# Altium PCB 32直立车-PCB.PcbDoc (part 1 of 2)
Units mm, origin at the board's own origin, x right, y up, seen from the top; angles counter-clockwise.
Board outline 90.55 x 46 mm, 2 copper layers (Top Layer, Bottom Layer); 120 components, 108 nets, 431 pads, 289 vias.
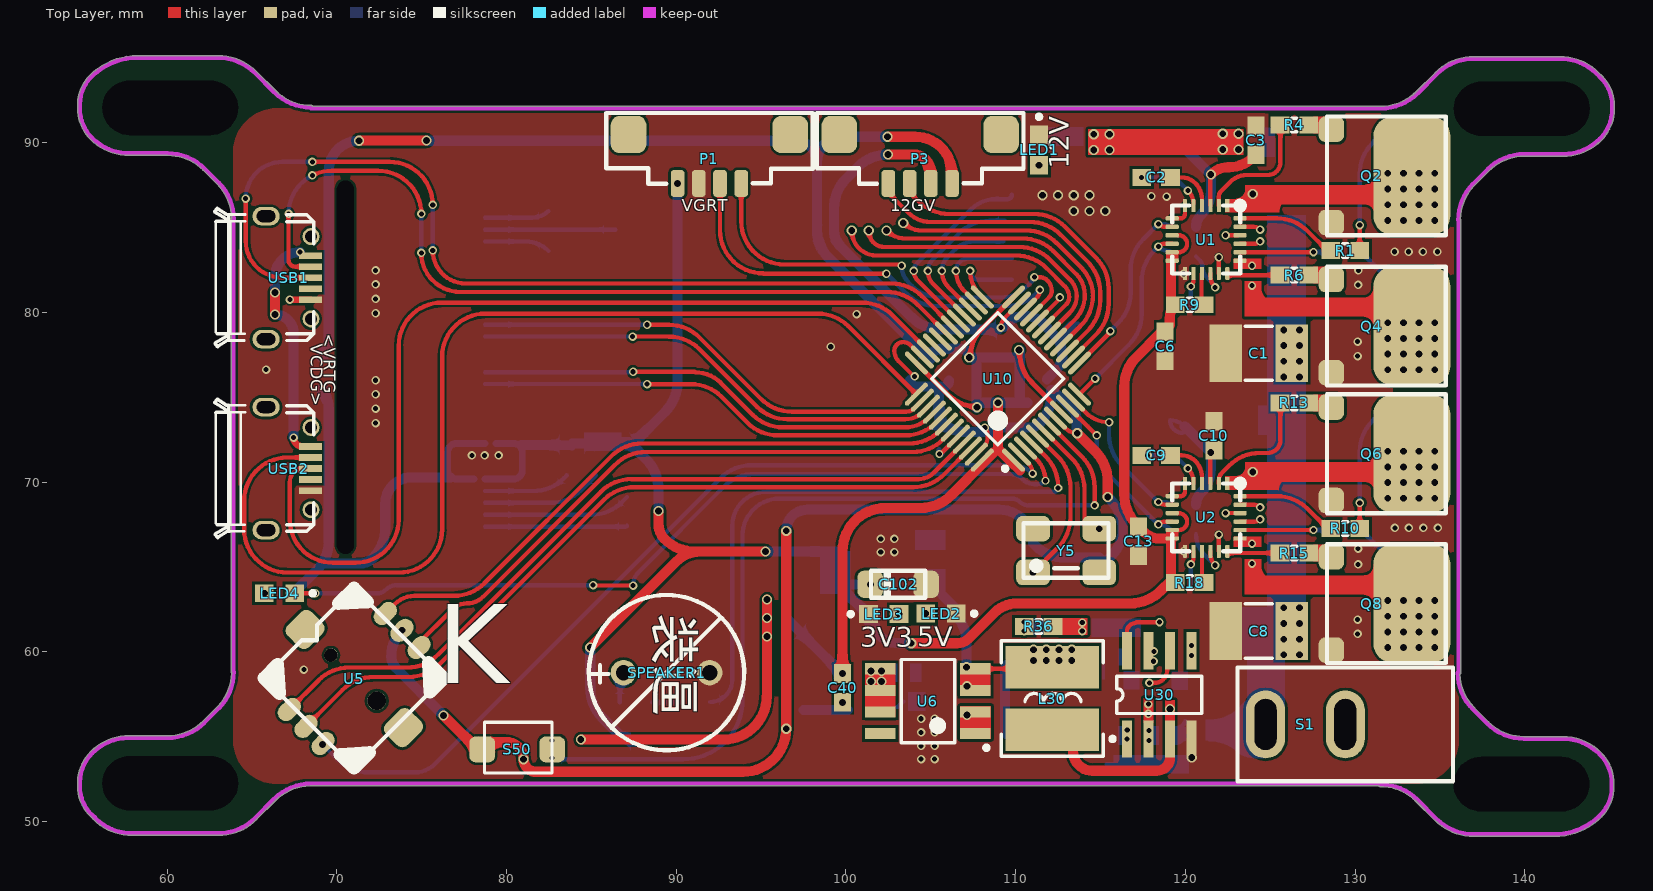
[diagram p0: Top Layer view]
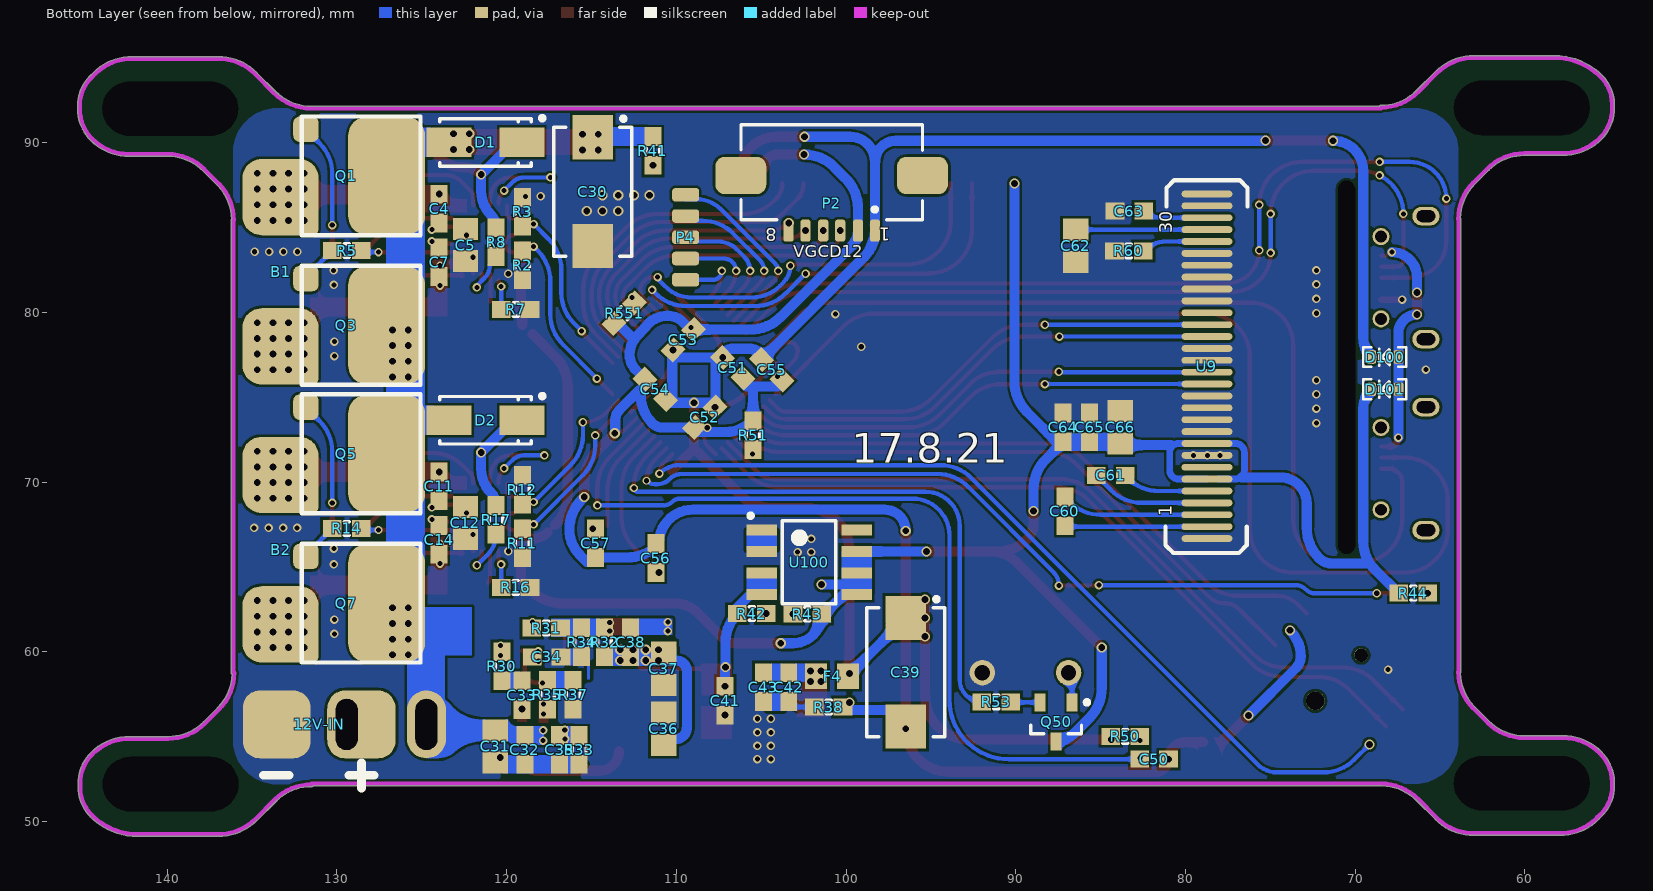
[diagram p1: Bottom Layer view, seen from below]

## Layer stack, top to bottom
Top Solder: solder mask 0.0102, Solder Resist, Dk 3.5
Top Layer: signal copper 0.0356
Dielectric 1: dielectric 0.32, FR-4, Dk 4.8
Bottom Layer: signal copper 0.0356
Bottom Solder: solder mask 0.0102, Solder Resist, Dk 3.5

## Board outline
54.723,52.055 cw(c54.85,52.055) 54.729,52.094 cw(c57.332,52.272) 55.487,54.117 cw(c57.745,51.859) 57.745,55.052 60.03,55.052 ccw(c60.03,57.991) 62.108,55.913 62.937,56.742 ccw(c63.027,56.652) 62.936,56.742 62.937,56.742 ccw(c60.859,58.82) 63.797,58.744 cw(c63.899,58.82) 63.772,58.82 63.772,85.48 cw(c63.899,85.48) 63.797,85.556 ccw(c60.859,85.48) 62.937,87.558 62.108,88.387 ccw(c62.198,88.477) 62.108,88.386 62.108,88.387 ccw(c60.03,86.309) 60.03,89.248 57.745,89.248 cw(c57.745,92.441) 55.487,90.183 cw(c57.332,92.028) 54.723,92.028 cw(c54.85,92.028) 54.729,92.068 cw(c57.155,92.245) 55.435,93.965 cw(c58.241,91.159) 58.241,95.127 63.005,95.127 cw(c63.005,91.934) 65.263,94.192 cw(c65.173,94.102) 65.264,94.192 65.263,94.192 66.399,93.056 ccw(c66.309,92.966) 66.399,93.057 66.399,93.056 ccw(c68.477,95.134) 68.477,92.195 cw(c68.477,92.068) 68.578,92.145 131.523,92.145 ccw(c131.523,95.084) 133.601,93.006 134.737,94.142 cw(c136.995,91.884) 136.995,95.077 142.08,95.077 cw(c142.08,91.884) 144.338,94.142 144.565,93.915 ccw(c144.475,93.825) 144.565,93.915 cw(c142.845,92.195) 145.277,92.195 145.277,91.978 cw(c142.668,91.978) 144.513,90.133 cw(c142.255,92.391) 142.255,89.198 139.97,89.198 ccw(c139.97,86.259) 137.892,88.337 137.063,87.508 ccw(c136.973,87.598) 137.064,87.508 137.063,87.508 ccw(c139.141,85.43) 136.203,85.503 cw(c136.099,85.43) 136.226,85.43 136.226,58.77 cw(c136.099,58.77) 136.179,58.671 ccw(c139.116,58.77) 137.038,56.692 cw(c136.948,56.602) 137.039,56.692 137.038,56.692 137.867,55.863 ccw(c137.777,55.773) 137.867,55.864 137.867,55.863 ccw(c139.945,57.941) 139.945,55.002 142.23,55.002 cw(c142.23,51.809) 144.488,54.067 cw(c142.643,52.222) 145.252,52.222 cw(c145.125,52.222) 145.246,52.182 cw(c142.82,52.005) 145.252,52.005 cw(c142.82,52.005) 144.54,50.285 cw(c144.45,50.375) 144.532,50.277 cw(c144.434,50.359) 144.524,50.269 cw(c141.757,53.036) 141.757,49.123 136.97,49.123 cw(c136.97,52.316) 134.712,50.058 cw(c134.802,50.148) 134.711,50.058 134.712,50.058 133.576,51.194 ccw(c133.666,51.284) 133.576,51.193 133.576,51.194 ccw(c131.498,49.116) 131.498,52.055 cw(c131.498,52.182) 131.409,52.091 68.477,52.091 cw(c68.477,52.218) 68.42,52.104 ccw(c68.477,49.166) 66.399,51.244 65.263,50.108 ccw(c65.173,50.198) 65.264,50.108 65.263,50.108 cw(c63.005,52.366) 63.005,49.173 57.92,49.173 cw(c57.92,52.366) 55.662,50.108 cw(c55.752,50.198) 55.631,50.159 cw(c57.155,52.055)

## Design rules (kind name [scope] priority, off if disabled: settings)
Clearance [All] p1: gap=0.152
HoleSize [All] p1: absolutevalues=TRUE maxlimit=99 minlimit=0.025 maxpercent=80.000 minpercent=20.000
HoleToHoleClearance [All] p1: gap=0.152 allowstackedmicrovias=TRUE
MinimumSolderMaskSliver [All] p1: minsoldermaskwidth=0
PolygonConnect [All] p1: connectstyle=Direct reliefconductorwidth=0.254 reliefentries=4 polygonreliefangle="90 Angle" airgapwidth=0.254
RoutingVias [All] p1: holewidth=0.3 width=0.5 viastyle="Through Hole" minholewidth=0.3 minwidth=0.3 maxholewidth=3 maxwidth=3
SilkToSilkClearance [All] p1: silktosilkclearance=0
SilkToSolderMaskClearance [All] p1: minsilkscreentomaskgap=0 clearancetoexposedcopper=TRUE
SolderMaskExpansion [All] p1: expansion=0.102
Width [All] p1: maxlimit=0.6 minlimit=0.127 preferedwidth=0.254
25 further rules are at their usual default settings.

## Components (designator, comment, footprint, x,y, rotation, side; value= is the part's Value field where it differs from the comment)
12V-IN "Power12" VBAT-2 128.549,55.718 r0 bottom
B1 "Motor Servo" "电机接口 - duplicate" 133.324,86.793 r270 top
B2 "Motor Servo" "电机接口 - duplicate" 133.324,70.418 r270 top
C1 "107/12V" CAPC4532[1812] 124.324,77.593 r0 top
C2 "470nF" CAPC1608[0603] 118.275,87.95 r180 top
C3 "104" CAPC1608[0603] 124.149,90.143 r270 top
C4 "105/12V" CAPC1608[0603] 123.974,86.118 r90 bottom
C5 "106/12V" CAPC2012[0805] 122.424,83.968 r90 bottom
C6 "104" CAPC1608[0603] 118.8,78 r270 top
C7 "105/12V" CAPC1608[0603] 123.974,82.968 r270 bottom
C8 "107/12V" CAPC4532[1812] 124.324,61.218 r0 top
C9 "470nF" CAPC1608[0603] 118.275,71.575 r180 top
C10 "104" CAPC1608[0603] 121.675,72.725 r270 top
C11 "105/12V" CAPC1608[0603] 123.974,69.743 r90 bottom
C12 "106/12V" CAPC2012[0805] 122.424,67.593 r90 bottom
C13 "104" CAPC1608[0603] 117.25,66.525 r270 top
C14 "105/12V" CAPC1608[0603] 123.974,66.593 r270 bottom
C30 "220uF/12V" CAPT7343 114.924,87.116 r270 bottom
C31 "22uF/12V" CAPC2012[0805] 120.674,54.418 r270 bottom
C32 "104" CAPC1608[0603] 118.924,54.218 r270 bottom
C33 "104" CAPC1608[0603] 119.099,57.443 r90 bottom
C34 "104" CAPC1608[0603] 117.649,59.693 r180 bottom
C35 "102" CAPC1608[0603] 116.874,54.218 r270 bottom
C36 "22uF" CAPC2012[0805] 110.749,55.468 r270 bottom
C37 "22uF" CAPC2012[0805] 110.749,58.993 r90 bottom
C38 "330nf" CAPC1608[0603] 112.699,60.568 r90 bottom
C39 "Cap Pol2" CAPT7343 96.474,58.793 r270 bottom
C40 "104" CAPC1608[0603] 99.799,57.868 r90 top
C41 "104" CAPC1608[0603] 107.124,57.118 r270 bottom
C42 "104" CAPC1608[0603] 103.374,57.918 r90 bottom
C43 "106/3V3" CAPC1608[0603] 104.874,57.918 r90 bottom
C50 "104" CAPC1608[0603] 81.849,53.668 r0 bottom
C51 "104" CAPC1608[0603] 106.665,76.732 r45 bottom
C52 "104" CAPC1608[0603] 108.316,73.811 r135 bottom
C53 "104" CAPC1608[0603] 109.586,78.383 r315 bottom
C54 "104" CAPC1608[0603] 111.237,75.462 r225 bottom
C55 "104" CAPC1608[0603] 104.372,76.616 r45 bottom
C56 "22pF" CAPC1608[0603] 111.2,65.525 r270 bottom
C57 "22pF" CAPC1608[0603] 114.75,66.4 r90 bottom
C60 "105" CAPC1608[0603] 87.099,68.268 r90 bottom
C61 "105" CAPC1608[0603] 84.399,70.393 r180 bottom
C62 "4.7uf" CAPC2012[0805] 86.474,83.918 r270 bottom
C63 "2.2uf" CAPC1608[0603] 83.299,85.968 r0 bottom
C64 "104" CAPC1608[0603] 87.199,73.218 r90 bottom
C65 "105" CAPC1608[0603] 85.649,73.218 r90 bottom
C66 "106/3V3" CAPC2012[0805] 83.851,73.226 r90 bottom
C102 "Cap Pol2" 钽电容3216 103.075,63.975 r0 top
D1 "1N5819" SMA[DO-214AC] 121.249,90.018 r180 bottom
D2 "1N5819" SMA[DO-214AC] 121.249,73.643 r180 bottom
D100 "Red" LED-0603 67.449,77.368 r0 bottom
D101 "Red" LED-0603 67.449,75.468 r0 bottom
F4 "500mA" CAPC2012[0805] 100.824,58.568 r0 bottom
L30 "4.7uH" CD52 112.149,57.243 r90 top
LED1 "Red" LEDC1608(0603) 111.375,89.575 r270 top
LED2 "Red" LEDC1608(0603) 105.6,62.25 r180 top
LED3 "Red" LEDC1608(0603) 102.224,62.218 r0 top
LED4 "Red" LEDC1608(0603) 66.624,63.443 r180 top
P1 "" MK1.25_4P立 91.95,88.575 r180 top
P2 "陀螺仪、编码器" 6P-卧头 100.849,86.443 r0 bottom
P3 "" MK1.25_4P立 104.375,88.575 r180 top
P4 "Header 5" 扩展口-5P 109.45,84.425 r270 bottom
Q1 "NMOS-2" IR7843-mg 132.074,91.543 r270 bottom
Q2 "NMOS-2" IR7843-mg 128.349,91.543 r270 top
Q3 "NMOS-2" IR7843-mg 132.074,82.743 r270 bottom
Q4 "NMOS-2" IR7843-mg 128.349,82.693 r270 top
Q5 "NMOS-2" IR7843-mg 132.074,75.168 r270 bottom
Q6 "NMOS-2" IR7843-mg 128.349,75.168 r270 top
Q7 "NMOS-2" IR7843-mg 132.074,66.368 r270 bottom
Q8 "NMOS-2" IR7843-mg 128.349,66.343 r270 top
Q50 "NPN" SOT23 87.624,55.868 r270 bottom
R1 "4R7" RESC1608[0603] 129.424,83.643 r180 top
R2 "10K" RESC1608[0603] 119.074,82.768 r270 bottom
R3 "10K" RESC1608[0603] 119.074,85.918 r90 bottom
R4 "4R7" RESC1608[0603] 126.424,91.043 r0 top
R5 "4R7" RESC1608[0603] 129.424,83.643 r180 bottom
R6 "4R7" RESC1608[0603] 126.424,82.193 r0 top
R7 "20K" RESC1608[0603] 119.475,80.175 r180 bottom
R8 "22K" RESC1608[0603] 120.624,84.143 r90 bottom
R9 "10K" RESC1608[0603] 120.25,80.45 r0 top
R10 "4R7" RESC1608[0603] 129.424,67.268 r180 top
R11 "10K" RESC1608[0603] 119.074,66.393 r270 bottom
R12 "10K" RESC1608[0603] 119.074,69.543 r90 bottom
R13 "4R7" RESC1608[0603] 126.424,74.668 r0 top
R14 "4R7" RESC1608[0603] 129.424,67.268 r180 bottom
R15 "4R7" RESC1608[0603] 126.424,65.818 r0 top
R16 "20K" RESC1608[0603] 119.475,63.8 r180 bottom
R17 "22K" RESC1608[0603] 120.624,67.768 r90 bottom
R18 "10K" RESC1608[0603] 120.25,64.075 r0 top
R30 "20" RESC1608[0603] 120.274,59.143 r90 bottom
R31 "20K" RESC1608[0603] 117.674,61.393 r0 bottom
R32 "40.2K" RESC1608[0603] 114.224,60.568 r270 bottom
R33 "75K" RESC1608[0603] 115.724,54.218 r90 bottom
R34 "7.5K" RESC1608[0603] 115.574,60.568 r270 bottom
R35 "100K" RESC1608[0603] 117.599,57.468 r270 bottom
R36 "0" RESC1608[0603] 111.349,61.493 r180 top
R37 "10k" RESC1608[0603] 116.074,57.468 r90 bottom
R38 "0" RESC1608[0603] 101.024,56.743 r0 bottom
R41 "10K" RESC1608[0603] 111.374,89.518 r90 bottom
R42 "4.7K" RESC1608[0603] 105.55,62.25 r0 bottom
R43 "4.7K" RESC1608[0603] 102.274,62.218 r180 bottom
R44 "4.7K" RESC1608[0603] 66.575,63.45 r0 bottom
R50 "10K" RESC1608[0603] 83.549,55.018 r0 bottom
R51 "10K" RESC1608[0603] 105.474,72.768 r270 bottom
R53 "1K" RESC1608[0603] 91.149,57.043 r180 bottom
R60 "910k" RESC1608[0603] 83.324,83.618 r180 bottom
R551 "10K" RESC1608[0603] 113.075,79.95 r135 bottom
S1 "switch" 2(-1)脚3A开关-立 124.724,55.718 r0 top
S50 "SW-PB" key3*4*2 80.624,54.243 r0 top
SPEAKER1 "有源蜂鸣器" СBeep 89.424,58.768 r180 top
U1 "A4957" QFN-24 121.224,84.293 r270 top
U2 "A4957" QFN-24 121.224,67.918 r270 top
U5 "五向按键" 5向key-小 71.024,58.418 r45 top
U6 "TPS7333" SOIC8 104.824,57.093 r180 top
U9 "oled" oled 78.728,76.825 r90 bottom
U10 "STM32F101CBT6" LQFP48_N 108.951,76.097 r135 top
U30 "MP2315" MP2315用SOP8 116.555,54.862 r90 top
U100 "TPS7333" SOIC8 102.174,65.268 r180 bottom
USB1 "USB-5P" "Micro USB 牛角" 67.149,82.043 r90 top
USB2 "USB-5P" "Micro USB 牛角" 67.149,70.793 r90 top
Y5 "Frequency" 4脚晶振-5032 115.464,67.564 r180 top

## Footprints (in the part's own frame and the unit in brackets; to place one, negate y for a bottom-side part, rotate by r counter-clockwise, add the part's x,y. Pads: shape width x height; smd on the part's side, far side on the other; paste and mask are expansions set on the pad)
2(-1)脚3A开关-立 [mm]
  oval 2.3x4 hole 1.3 slot 3 at 90 deg: 1(0,0) 2(4.7,0)
  silkscreen extent -1.65,-3.35 11.05,3.35
4脚晶振-5032 [mm]
  rrect50% 2x1.5 smd: 1(4.439,2.889) 2(0.54,2.889) 3(0.54,0.311) 4(4.439,0.311)
  silkscreen extent 0,0 5,3.2
5向key-小 [mm]
  rrect50% 2x1.8 smd: 0(0,4.096) 0(0.004,-4.096)
  oval 1.524x1 smd: 1(-4,1.419) 2(-4.001,0.022) 3(-4.001,-1.403) 4(4,1.419) 5(4.001,0.022) 6(4.001,-1.403)
  round 0.8 hole 0.8: 1(0.004,1.949)
  round 1.1 hole 1.1: 2(0.004,-1.861)
  silkscreen extent -3.75,-3.71 3.75,3.79
6P-卧头 [mm]
  rrect50% 0.6x1.3 smd: 1(-2.556,1.625) 2(-1.556,1.625) 3(-0.509,1.625) 4(0.491,1.625) 5(1.539,1.625) 6(2.539,1.625)
  rrect50% 3x2.2 smd: 9(5.347,-1.626) 10(-5.356,-1.626)
  silkscreen extent -5.36,-4.62 5.34,0.98
CAPC1608[0603] [mm] "Chip Capacitor, 2-Leads, Body 1.60x0.80mm, IPC Medium Density"
  rect 1.1x1 smd: 1(-0.85,0) 2(0.85,0)
  body extent -0.88,-0.48 0.87,0.47, height 0.85
CAPC2012[0805] [mm] "Chip Capacitor, 2-Leads, Body 2.00x1.25mm, IPC Medium Density"
  rect 1.3x1.5 smd: 1(-0.95,0) 2(0.95,0)
  body extent -1.1,-0.72 1.1,0.72, height 1.1
CAPC4532[1812] [mm] "Chip Capacitor, 2-Leads, Body 4.50x3.20mm, IPC Medium Density"
  rect 1.9x3.4 smd: 1(-1.95,0) 2(1.95,0)
  silkscreen extent -0.8,-1.6 0.8,1.6, body extent -2.4,-1.7 2.4,1.7, height 1.35
CAPT7343 [mm] "Molded Tantalum Capacitor, 2-Leads, Body 7.30x4.30mm, IPC Medium Density"
  rect 2.6x2.4 smd: 1(-3.2,0) 2(3.2,0)
  silkscreen extent -4.42,-2.3 3.8,2.3, body extent -3.65,-2.15 3.65,2.15, height 2.9
CD52 [mm]
  rect 2.5x5.5 smd: 1(-1.85,0) 2(1.85,0)
  silkscreen extent -3.4,-3 3.4,3, body extent -2.6,-2.86 2.6,2.86, height 3.4
IR7843-mg [mm]
  rrect50% 1.5x1.5 smd: 1(0.75,0.25) 3(6.25,0.25)
  rrect50% 7x4.53 smd: 2(3.5,5)
  silkscreen extent 0,0 7,7
key3*4*2 [mil]
  rrect50% 60x60 smd: 1(-81.24,0) 2(81.24,0)
  silkscreen extent -76,-55 81,63
LED-0603 [mm]
  rrect50% 0.6x0.8 smd: 1(0,0) 2(1.6,0)
  silkscreen extent -0.47,-0.58 2.07,0.58
LEDC1608(0603) [mm] "LED,Chip;1.60mm L X 0.80mm W X 0.80mm H"
  rect 1.1x1.05 smd: A(0.9,0) C(-0.9,0)
  silkscreen extent -2.07,-0.12 -1.83,0.13, body extent -0.9,-0.45 0.9,0.45, height 0.8
LQFP48_N [mm] "Thin QFP, 48-Leads, Body 7x7mm, Pitch 0.5mm, IPC Medium Density"
  oval 1.8x0.3 smd: 1(-4.05,2.75) 2(-4.05,2.25) 3(-4.05,1.75) 4(-4.05,1.25) 5(-4.05,0.75) 6(-4.05,0.25) 7(-4.05,-0.25) 8(-4.05,-0.75) 9(-4.05,-1.25) 10(-4.05,-1.75) 11(-4.05,-2.25) 12(-4.05,-2.75) 25(4.05,-2.75) 26(4.05,-2.25) 27(4.05,-1.75) 28(4.05,-1.25) 29(4.05,-0.75) 30(4.05,-0.25) 31(4.05,0.25) 32(4.05,0.75) 33(4.05,1.25) 34(4.05,1.75) 35(4.05,2.25) 36(4.05,2.75)
  oval 0.3x1.8 smd: 13(-2.75,-4.05) 14(-2.25,-4.05) 15(-1.75,-4.05) 16(-1.25,-4.05) 17(-0.75,-4.05) 18(-0.25,-4.05) 19(0.25,-4.05) 20(0.75,-4.05) 21(1.25,-4.05) 22(1.75,-4.05) 23(2.25,-4.05) 24(2.75,-4.05) 37(2.75,4.05) 38(2.25,4.05) 39(1.75,4.05) 40(1.25,4.05) 41(0.75,4.05) 42(0.25,4.05) 43(-0.25,4.05) 44(-0.75,4.05) 45(-1.25,4.05) 46(-1.75,4.05) 47(-2.25,4.05) 48(-2.75,4.05)
  silkscreen extent -4.17,-2.75 2.75,3.57, body extent -3.5,-3.5 3.5,3.5, height 1.6
"Micro USB 牛角" [mm]
  oval 1.1x1.6 hole 0.7 slot 1.1 at 90 deg: 0(-3.625,1.325) 0(3.625,1.325)
  round 1 hole 0.7: 0(-2.425,-1.325) 0(2.425,-1.325)
  rect 0.4x1.35 smd: 1(1.3,-1.3) 2(0.65,-1.3) 3(0,-1.3) 4(-0.65,-1.3) 5(-1.3,-1.3)
  silkscreen extent -4.06,-1.48 4.09,4.36
MK1.25_4P立 [mm]
  rrect50% 2.1x2.2 smd: 0(-4.764,-1.905) 0(4.764,-1.905)
  rrect50% 0.8x1.6 smd: 1(-1.875,0.974) 2(-0.625,0.974) 3(0.625,0.974) 4(1.875,0.974)
  silkscreen extent -6.08,-3.17 6.08,0.99
MP2315用SOP8 [mm]
  rect 2.2x0.6 smd: 1(0,0) 2(0,-1.27) 3(0,-2.54) 4(0,-3.81) 5(5.2,-3.81) 6(5.2,-2.54) 7(5.2,-1.27) 8(5.2,0)
  silkscreen extent -0.12,-4.4 3.7,0.97
oled [mm]
  oval 0.4x3 smd: 1(-10.153,0) 2(-9.453,0) 3(-8.752,0) 4(-8.052,0) 5(-7.352,0) 6(-6.652,0) 7(-5.952,0) 8(-5.251,0) 9(-4.551,0) 10(-3.851,0) 11(-3.151,0) 12(-2.451,0) 13(-1.75,0) 14(-1.05,0) 15(-0.35,0) 16(0.35,0) 17(1.05,0) 18(1.75,0) 19(2.451,0) 20(3.151,0) 21(3.851,0) 22(4.551,0) 23(5.251,0) 24(5.952,0) 25(6.652,0) 26(7.352,0) 27(8.052,0) 28(8.752,0) 29(9.453,0) 30(10.153,0)
  silkscreen extent -11,-2.39 10.97,2.44
QFN-24 [mm]
  rect 0.775x0.25 smd: 1(-2,1.25)
  rrect50% 0.775x0.25 smd: 2(-2,0.75) 3(-2,0.25) 4(-2,-0.25) 5(-2,-0.75) 6(-2,-1.25) 13(2,-1.25) 14(2,-0.75) 15(2,-0.25) 16(2,0.25) 17(2,0.75) 18(2,1.25)
  rrect50% 0.25x0.775 smd: 7(-1.25,-2) 8(-0.75,-2) 9(-0.25,-2) 10(0.25,-2) 11(0.75,-2) 12(1.25,-2) 19(1.25,2) 20(0.75,2) 21(0.25,2) 22(-0.25,2) 23(-0.75,2) 24(-1.25,2)
  silkscreen extent -2.28,-2 2,2.28
RESC1608[0603] [mm] "Chip Resistor, 2-Leads, Body 1.60x0.82mm, IPC Medium Density"
  rect 1.1x1 smd: 1(-0.85,0) 2(0.85,0)
  silkscreen extent -0.15,-0.4 0.15,0.4, body extent -0.8,-0.4 0.8,0.4, height 0.45
SMA[DO-214AC] [mm] "Molded Diode, 2-Leads, Body 5.00x2.49mm, IPC Medium Density"
  rect 2.65x1.75 smd: A(-2.15,0) K(2.15,0)
  silkscreen extent -2.7,-1.4 3.47,1.55, body extent -2.9,-1.46 2.91,1.46, height 2.3
SOIC8 [mm] "SOIC,1.27mm pitch;8 pin,3.90mm W X 4.88mm L X 1.73mm H body"
  rect 1.8x0.65 smd: 1(-2.8,1.905) 2(-2.8,0.635) 3(-2.8,-0.635) 4(-2.8,-1.905) 5(2.8,-1.905) 6(2.8,-0.635) 7(2.8,0.635) 8(2.8,1.905)
  silkscreen extent -3.58,-2.45 1.58,2.87, body extent -3.11,-2.45 3.11,2.45, height 1.75
SOT23 [mm] "SOT23, 3-Leads, Body 2.90x2.40mm, Pitch 0.95mm, IPC Medium Density"
  rect 1.05x0.65 smd: 1(-1.15,0.95) 2(-1.15,-0.95) 3(1.15,0)
  silkscreen extent -1.27,-1.5 0.7,1.95, body extent -1.4,-1.45 1.4,1.45, height 1.2
VBAT-2 [mm]
  rrect50% 4x4 smd: 1(0,0) 2(5,0)
  silkscreen extent -0.75,2.25 5.77,3.75
СBeep [mm]
  round 1.5 hole 0.9: 1(2.54,0) 2(-2.54,0)
  silkscreen extent -4.57,-4.58 4.58,4.57
扩展口-5P [mm]
  rrect50% 0.8x1.6 smd: 1(-2.5,0) 2(-1.25,0) 3(0,0) 4(1.25,0) 5(2.5,0)
"电机接口 - duplicate" [mm]
  rrect50% 4.5x4.5 smd far side: 1(0,0) 2(8.8,0)
钽电容3216 [mm]
  rrect50% 1.5x1.6 smd: 1(-1.65,0) 2(1.65,0)
  silkscreen extent -1.6,-0.8 1.6,0.8

## Part data
B1 B2: "Servo Motor"
C1 C2 C3 C4 C5 C6 C7 C8 C9 C10 C11 C12 C13 C14 C41 C42 C43 C50 C51 C52 C53 C54 C55 C56 C57: library part "Cap Chip 2", "Chip Capacitor, Silkscreen Border"
C30 C31 C32 C33 C34 C35 C36 C37 C38 C40: library part "Cap Chip 1", "Chip Capacitor, PSpice Model"
C39 C102: "Polarized Capacitor (Axial)"
C60 C61 C62 C63 C64 C65 C66: library part ECAP
D1 D2: library part Diode, "Default Diode"
D100 D101 LED1 LED2 LED3 LED4: library part "LED Chip", "Typical Chip LED"
F4: library part "Fuse chip", "Fuse"
L30: library part "Ind Power", "Power Inductor, Ferrite-Core"
P1 P3: library part "Header 4", "Header, 4-Pin"
P2: library part "Header 6", "Header, 6-Pin"
P4: "Header, 5-Pin"
Q1 Q2 Q3 Q4 Q5 Q6 Q7 Q8: "N-Channel Power MOSFET"
Q50: "NPN Transistor"
R1 R4 R5 R6 R7 R8 R9 R10 R13 R14 R15 R16 R17 R18: library part "Res Chip 2p 2", "Chip Resistor, Border Silkscreen On PCB Library"
R2 R3 R11 R12: library part R-10K, "resistor"
R30 R31 R32 R33 R34 R35 R36 R37 R38 R41 R42 R43 R44 R50 R51 R551: library part "Res Chip 2p 1", "Chip Resistor, PSpice Model, IPC PCB Library Drawing"
R53: library part RES
R60: library part 1K, "CR85-102J"
S50: "Switch"
U1 U2: "A4957SESTR-T"
U6 U100: library part TPS73xx
U9: library part OLED_1306
U10: "STM32 ARM-based 32-bit MCU with 128 Kbytes Flash, 48-pin LQFP, Industrial Temperature"
USB1 USB2: "USB CONNECTOR"
Y5: library part XTAL, "Crystal Oscillator"

## Free pads (board coordinates)
  round 0 hole 3.2 slot 8 at 0 deg: 0(60.175,52.25) 0(60.175,92.05) 0(139.8,52.2) 0(139.825,92)
  round 0 hole 1 slot 22 at 90 deg: 0(70.499,76.768)

## Via types
v1: diameter 0.6, hole 0.4, Top Layer to Bottom Layer, tented both sides, 156 vias
v2: diameter 0.5, hole 0.3, Top Layer to Bottom Layer, tented both sides, 131 vias
v3: diameter 0.46, hole 0.3, Top Layer to Bottom Layer, tented both sides, 2 vias

## Nets (pads, with @x,y where several pads share a name; then routed paths per layer and width w, separated by ;. In a path a pad name is that pad's centre, name@x,y a point inside that pad or via, vN(x,y) a via of type N, cw(c..) or ccw(c..) an arc to the next point about the centre after c; other vN are vias at no path point)
12V: C1.2 C8.2 C30.1 C31.1 C32.1 D1.A D2.A Q1.2 Q3.2 Q5.2 Q7.2 R35.2 R41.2 S1.1 U30.2 | length 8.8
  Bottom Layer w0.254: C32.1@119.407,54.639 ccw(c119.407,55.239) C31.1@119.974,55.043 ; 119.424,55.493 ccw(c119.424,56.093) C31.1@119.991,55.897 ; 121.424,54.843 cw(c121.424,52.303) 123.062,54.244 ccw(c124.031,55.213) 124.031,53.843 S1.1@124.599,53.843 ; 121.449,55.893 ccw(c121.449,58.433) 123.437,56.852 123.714,57.129 cw(c124.774,56.069) S1.1@124.774,57.568
  other v1: 125.799,59.818 126.724,59.818 125.799,60.743 126.724,60.743 125.799,61.668 126.724,61.668 125.799,62.593 126.724,62.593 125.799,76.193 126.724,76.193 125.799,77.118 126.724,77.118 125.799,78.043 126.724,78.043 125.799,78.968 126.724,78.968 114.6,89.575 115.525,89.575 122.2,89.6 123.125,89.6 114.6,90.5 115.525,90.5 122.2,90.525 123.125,90.525
  other v2: 117.849,54.768 117.849,55.368 117.824,56.343 117.824,56.918
A-3V3: C6.1 C13.1 C64.1 C65.1 C66.1 C102.1 D101.2 P1.4 Q50.3 R9.1 R18.1 R43.2 R44.2 U1.9 U1.11 U1.12 U2.9 U2.11 U2.12 U9.6 U9.9 U100.5 U100.6 U100.7 | length 136.7
  Top Layer w0.254: 116.4,69.277 116.4,69.45 ; C13.1@117.144,67.481 C13.1@117.25,67.375 C13.1@117.591,67.034 ; U2.11@119.599,67.168 ccw(c119.599,67.668) 120.099,67.668 ccw(c119.599,67.668) U2.9@119.599,68.168 ; U1.11@119.599,83.543 ccw(c119.599,84.043) 120.099,84.043 ccw(c119.599,84.043) U1.9@119.599,84.543
  Top Layer w0.6: v1(84.925,60.25) 89.979,65.304 cw(c91.425,63.858) 91.425,65.903 ; v1(88.95,68.3) 88.95,67.53 ccw(c90.23,67.53) 89.325,66.625 ccw(c91.068,68.368) 91.068,65.903 91.425,65.903 ; v1(95.25,65.903) 91.425,65.903 ; v1(103.85,60.5) 106.548,60.5 ccw(c106.548,61.471) 107.234,60.784 108.752,62.302 cw(c110.075,60.979) 110.075,62.85 116.748,62.85 ccw(c116.748,65.39) 118.544,63.594 R18.1@119.15,64.2 ; 116.4,69.277 ccw(c118.94,69.277) C13.1@117.144,67.481 ; 116.4,69.45 116.4,75.625 cw(c118.875,75.625) 117.125,77.375 C6.1@118.462,78.712 ; C13.1@117.591,67.034 ccw(c118.475,67.919) 118.475,66.668 U2.12@119.15,66.668 ; C6.1@119.075,79.25 119.075,79.665 cw(c120.185,79.665) R9.1@119.4,80.45 ; R18.1@119.15,64.475 U2.12@119.15,66.668 ; R9.1@119.15,80.525 U1.12@119.15,83.043 ; U2.12@119.224,66.668 U2.12@119.15,66.668
  Bottom Layer w0.254: C66.1@83.849,72.274 C66.1@83.851,72.151
  Bottom Layer w0.4: 76.523,70.702 ccw(c77.05,70.702) 77.05,70.175 U9.6@78.075,70.175 ; 76.525,70.725 76.525,71.75 cw(c77.052,71.75) 77.052,72.277 U9.9@78.722,72.277 ; U9.6@78.728,70.173 80.398,70.173 ccw(c80.398,70.7) 80.925,70.7 80.925,71.725 ; U9.9@79.375,72.275 80.4,72.275 cw(c80.4,71.748) 80.927,71.748
  Bottom Layer w0.6: R44.2@67.424,63.443 68.852,64.871 ccw(c67.23,66.493) 69.129,65.206 ; D101.2@69.049,75.468 cw(c67.902,74.321) 69.524,74.321 69.524,66.493 cw(c67.23,66.493) 69.129,65.206 ; 76.675,70.274 74.399,70.274 ccw(c74.399,68.725) 72.85,68.725 72.85,67.302 cw(c70.31,67.302) 72.106,65.506 cw(c71.382,66.23) 71.382,65.206 69.129,65.206 ; 80.85,72.176 83.126,72.176 83.847,72.151 C66.1@83.851,72.151 ; C66.1@83.851,72.276 85.557,72.276 ccw(c85.557,72.368) C65.1@85.649,72.368 C64.1@87.199,72.368 88.206,71.361 cw(c86.41,69.565) 88.95,69.565 v1(88.95,68.3) ; v1(84.925,60.25) 84.925,57.877 ccw(c87.465,57.877) 85.669,56.081 86.613,55.137 ccw(c87.624,56.147) Q50.3@87.624,54.718 ; C64.1@87.6,72.4 89.331,74.131 ccw(c87.535,75.927) 90.075,75.927 v1(90.075,87.6) ; v1(95.25,65.903) U100.7@99.374,65.903 ; 99.85,63.925 cw(c99.893,63.925) 99.893,63.968 v1(101.449,63.968) ; U100.5@100.161,63.331 R43.2@101.274,62.218 ; R43.2@101.424,62.218 ccw(c103.142,62.218) 103.142,60.5 v1(103.85,60.5)
A-5V: C36.2 C37.2 C38.1 C41.1 L30.2 R32.2 R42.2 U6.3 U6.4 U100.3 U100.4 | length 15.5
  Top Layer w0.254: U6.4@107.624,58.998 112.054,58.998 L30.2@112.149,59.093
  Bottom Layer w0.254: 109.374,55.493 ccw(c109.399,55.493) 109.399,55.468
  Bottom Layer w0.6: U100.4@105.656,63.369 R42.2@106.475,62.55 ; R42.2@106.4,62.25 cw(c104.712,60.562) 107.099,60.562 v1(107.099,59.093) cw(c107.039,59.033) 107.124,59.033 v1(107.124,57.968) ; 109.374,55.493 109.374,58.868 cw(c109.974,58.868) 109.974,59.468 ; 109.399,55.468 ccw(c109.999,55.468) C36.2@109.999,54.868
  other v1: 111.049,59.493 111.799,59.493 112.549,59.493 113.299,59.493 111.049,60.118 111.799,60.118 112.549,60.118 113.299,60.118
A-GND: 12V-IN.2 C1.1 C3.1 C5.1 C6.2 C8.1 C10.1 C12.1 C13.2 C30.2 C31.2 C32.2 C34.2 C35.2 C36.1 C37.1 C41.2 C42.1 C43.1 C62.2 C63.2 C64.2 C65.2 C66.2 C102.2 LED1.C LED2.C LED3.C P1.3 Q2.3 Q4.3 Q6.3 Q8.3 R2.2 R3.2 R7.2 R11.2 R12.2 R16.2 R33.1 R34.2 R37.1 R38.2 R60.1 SPEAKER1.2 U1.6 U1.7 U1.13 U1.17 U2.6 U2.7 U2.13 U2.17 U6.1 U6.2 U9.1 U9.8 U9.10 U9.11 U9.12 U9.13 U9.16 U9.17 U9.21 U9.22 U9.23 U9.24 U9.25 U9.29 U9.30 U30.4 U100.1 U100.2 USB1.5 USB2.5 | length 8
  Top Layer w0.254: USB1.5@68.449,80.743 USB1.5@68.449,80.75 ; U2.7@119.224,69.168 119.724,69.168 ccw(c119.724,69.418) 119.974,69.418 U2.6@119.974,69.918 ; U1.7@119.224,85.543 119.724,85.543 ccw(c119.724,85.793) 119.974,85.793 U1.6@119.974,86.293 ; U2.17@121.974,65.918 121.974,66.899 v2(121.975,66.9) ; U1.17@121.974,82.293 121.974,83.249 v2(121.975,83.25)
  Top Layer w0.4: v2(67.225,80.75) USB1.5@68.449,80.75
  Bottom Layer w0.254: R38.2@101.874,56.743 103.049,56.743 C42.1@103.374,57.068 ; R33.1@115.357,53.368 R33.1@115.724,53.368
  other v1: 120.374,53.768 107.124,56.268 113.425,85.975 114.35,85.975 115.275,85.975 111.575,86.9 112.5,86.9 113.425,86.9 114.35,86.9
  other v2: 104.425,53.675 105.225,53.675 104.425,54.45 105.225,54.45 104.425,55.25 105.225,55.25 104.425,56.05 105.225,56.05 68.05,58.95 130.15,61.05 130.15,61.9 130.175,65.15 102.05,65.875 102.85,65.875 119.9,65.925 130.175,66.075 102.05,66.65 102.85,66.65 132.35,67.3 133.175,67.3 134.025,67.3 134.875,67.3 77.95,71.575 78.7,71.575 79.525,71.575 72.275,73.475 72.275,74.325 72.275,75.175 72.275,76 65.825,76.625 130.15,77.425 99.1,77.975 130.15,78.275 100.625,79.9 72.275,79.95 72.275,80.8 130.175,81.625 72.275,81.65 119.901,82.276 72.275,82.475 130.2,82.475 132.325,83.575 133.15,83.575 134,83.575 134.85,83.575 118.899,86.818 117.999,86.843
AD-1: P3.4 U10.15 | length 19.9
  Top Layer w0.254: P3.4@102.5,87.601 ccw(c103.83,87.601) 102.89,86.66 103.695,85.855 ccw(c104.974,87.134) 104.974,85.325 110.848,85.325 cw(c110.848,82.785) 112.644,84.581 114.231,82.994 cw(c112.435,81.198) 114.975,81.198 114.975,80.698 cw(c112.435,80.698) 114.231,78.902 U10.15@113.052,77.723
AD-2: P3.3 U10.14 | length 19.6
  Top Layer w0.254: P3.3@103.75,87.601 ccw(c105.02,87.601) 104.122,86.703 104.281,86.544 ccw(c106.077,88.34) 106.077,85.8 111.098,85.8 cw(c111.098,83.26) 112.894,85.056 114.731,83.219 cw(c112.935,81.423) 115.475,81.423 115.475,80.491 cw(c112.935,80.491) 114.731,78.695 U10.14@113.406,77.37
BEEP: R53.1 U10.4 | length 34.8
  Top Layer w0.254: U10.4@110.931,72.349 111.756,71.524 cw(c109.96,69.728) 112.5,69.728 v2(112.5,69.65)
  Bottom Layer w0.254: R53.1@91.999,57.043 ccw(c91.999,58.343) 93.299,58.343 93.299,67.41 cw(c95.323,67.41) 95.323,69.434 112.284,69.434 ccw(c112.284,69.65) v2(112.5,69.65)
BLUETOOTH-RX: P1.2 U10.22 | length 26.1
  Top Layer w0.254: P1.2@92.575,87.601 92.575,84.84 ccw(c95.115,84.84) 95.115,82.3 95.14,82.275 v2(102.375,82.275) ; U10.22@110.584,80.198 U10.22@110.577,80.198 ; U10.22@111.03,80.651 U10.22@110.577,80.198 ; v2(111.425,81.325) cw(c110.751,81.325) 111.228,80.848 U10.22@110.577,80.198
  Bottom Layer w0.254: v2(102.375,82.275) 102.4,82.275 103.556,81.119 ccw(c105.352,82.915) 105.352,80.375 109.423,80.375 ccw(c109.423,82.915) 111.219,81.119 v2(111.425,81.325)
BLUETOOTH-TX: P1.1 U10.21 | length 25.8
  Top Layer w0.254: P1.1@93.825,87.601 93.825,85.365 ccw(c96.365,85.365) 96.365,82.825 103.094,82.825 cw(c103.094,82.569) v2(103.275,82.75) ; U10.21@110.931,79.845 111.958,80.872 ccw(c111.555,81.275) 112.125,81.275 ccw(c111.28,81.275) 111.878,81.872 ccw(c111.389,81.384) 111.389,82.075 v2(111.1,82.075)
  Bottom Layer w0.254: v2(103.275,82.75) ccw(c104.663,82.75) 103.682,81.768 103.866,81.584 ccw(c105.577,83.294) 105.577,80.875 109.081,80.875 ccw(c109.081,83.094) 110.65,81.525 111.029,81.904 ccw(c110.859,82.075) v2(111.1,82.075)
BOOT0: R51.2 U10.44 | length 2.1
  Top Layer w0.254: v3(105.5,71.65) ccw(c105.5,71.806) 105.61,71.696 U10.44@106.618,72.703
  Bottom Layer w0.3: R51.2@105.474,71.918 105.488,71.904 105.45,71.865 105.655,71.66 105.645,71.65 v3(105.5,71.65)
BOOT1: R551.2 U10.20 | length 1.9
  Top Layer w0.254: U10.20@111.284,79.491 112.605,80.812 v2(112.605,80.879)
C-3V3: C39.1 C40.2 C51.2 C52.2 C53.2 C54.2 C55.2 D100.2 F4.1 P2.1 P3.1 R50.2 U10.1 U10.9 U10.24 U10.36 U10.48 | length 140.2
  Top Layer w0.254: v1(71.299,90.118) v1@71.299,90.125 ; v1@110.236,77.632 v1@110.236,77.724
  Top Layer w0.3: U10.36@104.143,77.016 105.993,75.166 ccw(c107.789,76.962) v1@107.789,74.422 ; v1@107.315,77.343 cw(c109.746,77.343) 108.027,79.062 U10.24@109.87,80.905 ; v1@110.236,77.632 ccw(c112.776,77.632) 110.98,75.836 U10.9@112.699,74.117
  Top Layer w0.6: v1@71.299,90.125 v1(75.275,90.125) ; v1(84.375,54.825) 92.785,54.825 ccw(c92.785,57.365) 95.325,57.365 ; 95.35,57.365 v1(95.35,60.9) v1(95.35,61.988) v1(95.35,63.075) ; v1(99.799,58.718) 99.799,65.935 cw(c102.339,65.935) 102.339,68.475 104.398,68.475 ccw(c104.398,71.015) 106.194,69.219 108.138,71.183 U10.48@108.675,71.725 ; v1@102.5,90.35 104.075,90.35 cw(c104.075,88.175) 106.25,88.175 P3.1@106.25,87.601 ; 108.95,71.975 v1(108.95,74.675) ; 109.1,71.825 109.642,71.288 109.76,71.174 U10.1@110.25,70.7
  Bottom Layer w0.254: 98.274,88.893 cw(c98.274,88.874) 98.293,88.874 ; C55.2@104.94,77.217 cw(c105.702,77.217) 104.941,77.249 cw(c105.702,77.217) C55.2@104.973,77.437 ; v1(107.266,77.333) ccw(c106.621,77.333) 107.266,77.343 cw(c106.748,77.333) v1(107.266,77.333)
  Bottom Layer w0.6: D100.2@69.049,77.368 ccw(c67.902,78.515) 69.524,78.515 69.524,88.343 cw(c71.299,88.343) v1(71.299,90.118) ; v1@75.275,90.118 97.049,90.118 cw(c97.049,88.893) 98.274,88.893 ; C39.1@96.474,61.993 F4.1@99.362,59.106 ; v1(102.45,90.35) 99.769,90.35 ccw(c99.769,88.874) 98.293,88.874 P2.1@98.293,84.818 ccw(c100.516,84.818) 98.944,83.246 C55.2@104.941,77.249 ; C55.2@104.973,77.217 cw(c105.607,77.217) 105.607,77.851 106.748,77.851 cw(c106.748,77.333) 107.266,77.343 C53.2@110.168,77.343 ; C52.2@107.696,74.363 C51.2@107.696,77.275 ; C52.2@107.764,74.676 C54.2@110.676,74.676 ; C54.2@110.236,74.871 C53.2@110.236,77.783
  other v1: 107.715,74.412 110.187,77.782
CA-1: C4.1 U1.23 | length 1.2
  Top Layer w0.254: U1.23@123.224,85.043 124.009,85.043 cw(c124.009,84.481) v2(124.406,84.878)
CA-2: C11.1 U2.23 | length 1.4
  Top Layer w0.254: U2.23@123.224,68.668 124.009,68.668 cw(c124.009,68.106) v2(124.406,68.503) v2@124.522,68.503 ; v2@124.522,68.503 cw(c124.119,68.094) 124.525,68.5 v2@124.522,68.503
CB-1: C7.1 U1.21 | length 1.2
  Top Layer w0.254: U1.21@123.224,84.043 124.079,84.043 ccw(c124.079,84.505) v2(124.406,84.178)
CB-2: C14.1 U2.21 | length 1.2
  Top Layer w0.254: U2.21@123.224,67.668 124.079,67.668 ccw(c124.079,68.13) v2(124.406,67.803)